# KiCad board hw-openmower-universal.kicad_pcb (continued)
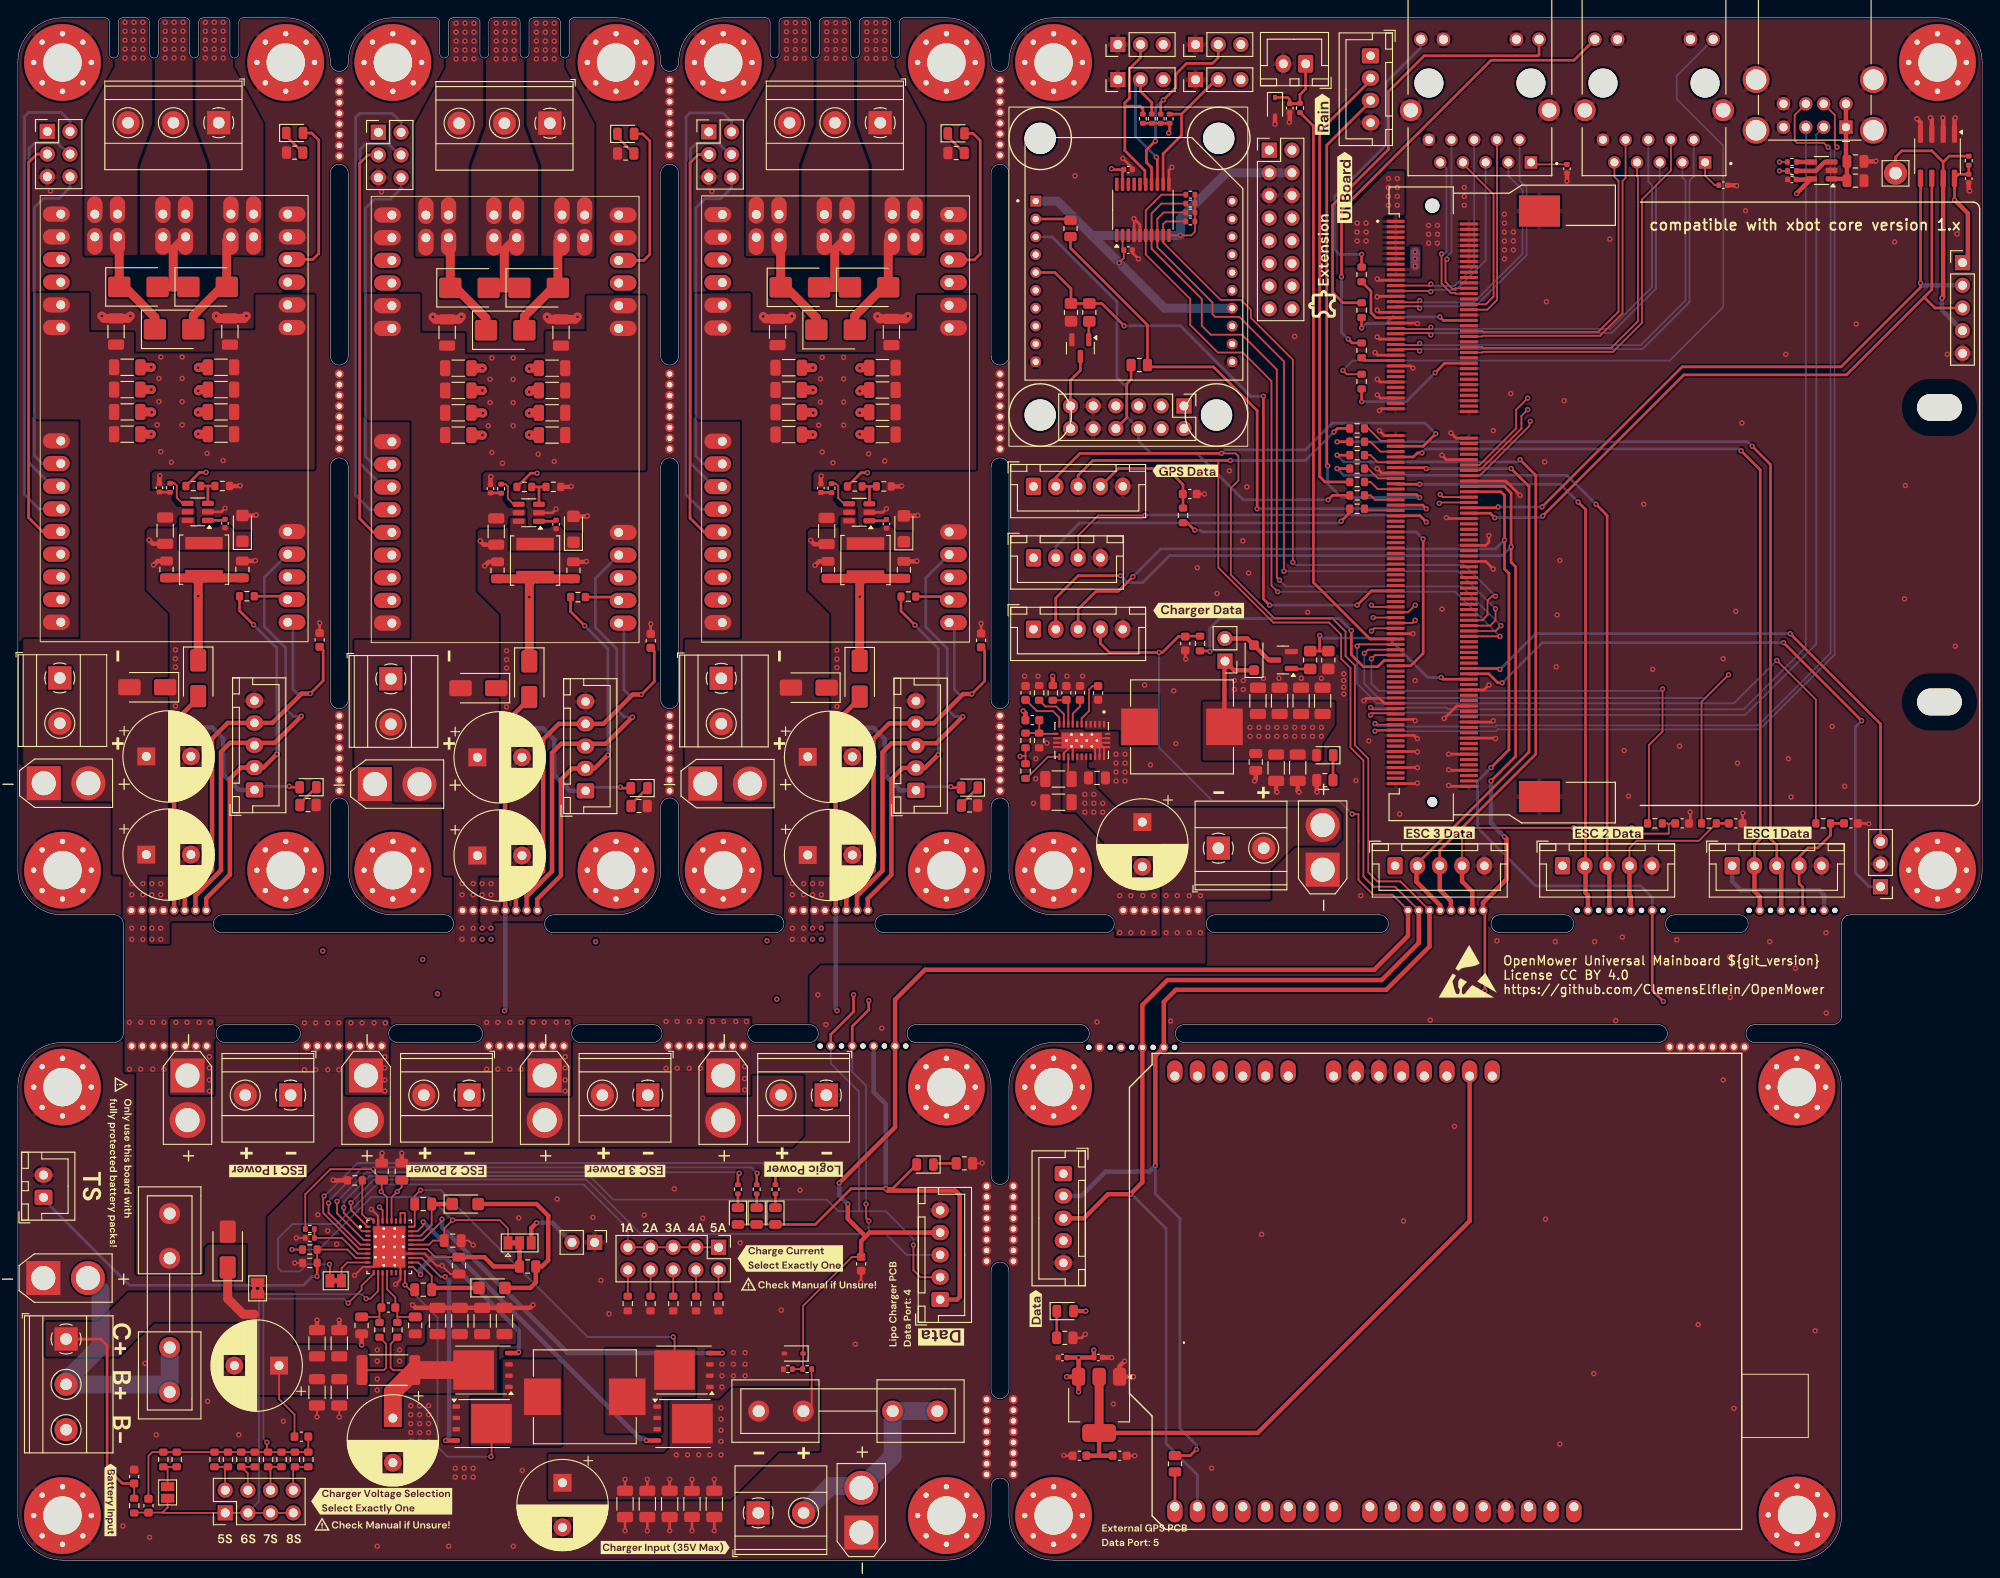
[diagram p0: board, top side]
## Routing (per net, layer and track width the routed paths; a pad name or vN(x,y) marks a point on that pad's centre or on a via; arc(x,y) is an arc through that point) (continued)
/subpcb_logic/UART10.RX: length 46.5
  Top w0.2: v1(126.25,117.05) 121,117.05 118.75,114.8 J1.3
  Top w0.3: v1(157.75,116.3) 157.05,117 J12.103
  Bottom w0.3: v1(126.25,117.05) 126.3,117.1 156.95,117.1 v1(157.75,116.3)
/subpcb_logic/UART10.TX: length 36.2
  Top w0.3: v1(148.2,116.4) 149.18,117.37 R85.1
  Bottom w0.3: v1(148.2,116.4) 148,116.2 118.9,116.2 116.25,113.55 J1.2
/subpcb_logic/~{WC}: length 31
  Top w0.3: 215.63,156.64 216.31,157.31 R15.2 ; 215.63,156.64 U5.7 ; 215.63,156.64 214.37,157.9 211,157.9 210.3,157.2 TP2.1
  Top w0.5: v1(215.5,141.4) 215.63,141.54 U5.7
  Bottom w0.5: J32.4 215.5,140.06 v1(215.5,141.4)
/UART1.RX: length 318.9
  Top w0.3: 194.5,77.3 194.5,80.15 195.15,80.8 195.15,122.15 v1(193,124.3) ; v1(157.25,124.05) 156.75,124.05 156.3,123.6 J12.81 ; v1(26.4,104.8) 24.83,106.38 R43.1
  Top w0.5: U50.8 21.1,74.15 23.75,76.8 23.75,87.55 25,88.8 J18.2 27.5,88.8 v1(29,90.3) ; 194.5,77.3 194.5,74.95 195.1,74.35 U49.1
  In2.Cu-PWR-SIG w0.3: U50.8 21.1,67.95 23.55,65.5 191.8,65.5 195.1,68.8 U49.1
  Bottom w0.3: v1(29,90.3) 29,102.2 v1(26.4,104.8) ; v1(193,124.3) 192.8,124.5 157.7,124.5 v1(157.25,124.05)
/UART1.TX: length 343.7
  Top w0.3: R1.1 v1(147.75,125.3) ; J11.3 197,80.11 196.3,80.81 196.3,122.75 v1(194.25,124.8)
  Top w0.5: J11.3 197.5,77.3 U49.2 ; U50.7 19.9,74.45 22.75,77.3 22.75,90.55 23.77,91.57 28.77,91.57 v1(31.75,94.55)
  In2.Cu-PWR-SIG w0.3: U50.7 19.9,67.15 22.05,65 196.2,65 197.5,66.3 U49.2
  Bottom w0.3: U8.14 27.6,110.1 27.6,104.6 30,102.2 30,95.4 30.86,94.55 31.75,94.55 v1(31.75,94.55) ; v1(147.75,125.3) 193.75,125.3 v1(194.25,124.8)
/UART2.RX: length 234.8
  Top w0.3: 175.58,77.3 175.58,117.72 v1(174.75,118.55) ; 154.37,120.55 v1(157,120.55) ; v1(63.48,104.7) 61.91,106.28 R70.1
  Top w0.5: 175.58,77.3 175.58,74.78 175.85,74.5 U48.1 ; 58.18,72.7 58.18,74.05 60.83,76.7 60.83,87.45 62.08,88.7 J25.2 64.58,88.7 v1(66.08,90.2)
  In2.Cu-PWR-SIG w0.3: U51.8 58.2,70.35 61.55,67 173.2,67 175.85,69.65 U48.1
  Bottom w0.3: v1(174.75,118.55) 172.75,120.55 v1(157,120.55) ; v1(63.48,104.7) 66.08,102.1 v1(66.08,90.2)
/UART2.TX: length 260.6
  Top w0.3: v1(176.75,118.3) 178,117.05 J20.3 177.5,77.3 ; R3.1 v1(147.75,122.3)
  Top w0.5: J20.3 178.25,77.55 U48.2 ; 56.98,72.7 56.98,74.35 59.83,77.2 59.83,90.45 60.85,91.47 65.85,91.47 v1(68.83,94.45)
  In2.Cu-PWR-SIG w0.3: U48.2 178.25,68.45 176.3,66.5 60.55,66.5 57,70.05 U51.7
  Bottom w0.3: v1(176.75,118.3) 173.5,121.55 148.5,121.55 v1(147.75,122.3) ; U9.14 64.68,110 64.68,104.5 67.08,102.1 67.08,95.3 67.94,94.45 68.83,94.45 v1(68.83,94.45)
/UART4.RX: length 181.8
  Top w0.3: 156.65,77.3 156.65,77.95 169.25,90.55 169.25,120.3 v1(167.25,122.3) ; v1(157.75,122.3) 157.65,122.4 J12.85 ; v1(100.49,104.76) 98.91,106.33 R77.1
  Top w0.5: 95.19,72.76 95.19,74.11 97.84,76.76 97.84,87.51 99.09,88.76 J26.2 101.59,88.76 v1(103.09,90.26) ; 156.65,77.3 156.65,76 159.3,73.35 U60.4
  In2.Cu-PWR-SIG w0.3: U60.4 159.3,70.05 157.8,68.55 97.25,68.55 95.2,70.6 U52.8
  Bottom w0.3: v1(103.09,90.26) 103.09,102.16 v1(100.49,104.76) ; v1(167.25,122.3) v1(157.75,122.3)
/UART4.TX: length 203.5
  Top w0.3: J21.3 159.25,79.55 170,90.3 170,121.55 v1(168.25,123.3) ; R5.1 v1(147.75,123.8)
  Top w0.5: v1(105.84,94.51) 102.85,91.53 97.85,91.53 96.84,90.51 96.84,77.26 93.99,74.41 93.99,72.76 ; J21.3 159.25,75.1 160.5,73.85 U60.5
  In2.Cu-PWR-SIG w0.3: U52.7 94,70.3 96.3,68 158.95,68 160.5,69.55 U60.5
  Bottom w0.3: v1(105.84,94.51) 105.83,94.5 104.94,94.5 104.09,95.36 104.09,102.16 101.69,104.56 101.69,110.05 U10.14 ; v1(168.25,123.3) 168,123.05 148.5,123.05 v1(147.75,123.8)
/UART6.RX: length 222.7
  Top w0.2: U60.3 154.85,76.05 152.25,76.05 151.25,77.05 151.25,89.8 149.75,91.3 149.75,100.25 148.7,101.3 148.7,104.05 147.2,105.55 140.7,105.55 135.85,110.4 135.85,120.1 136.7,120.95 136.7,123.7 136.4,124 v1(134.8,124)
  Top w0.3: J12.77 157.4,124.8 v1(158.8,126.2) ; J16.2 116.25,121.3 118.95,124 v1(134.8,124) ; R59.2 131.31,11.71 v1(132,12.4)
  Top w0.5: U60.3 158.1,68.75 153.25,63.9 129.69,63.9 128.35,62.55 U1.1 127.4,56.5 v1(127.4,44.2)
  Bottom w0.3: v1(127.4,44.2) 127.4,41.05 130.15,38.3 130.15,14.75 132,12.9 v1(132,12.4) ; v1(134.8,124) 135.2,124.4 144.2,124.4 147.2,127.4 157.6,127.4 v1(158.8,126.2)
  Bottom w0.5: v1(127.4,44.2) 126.74,43.54 121.84,43.54 119.1,40.8 J29.2
/UART6.TX: length 204.7
  Top w0.2: U60.2 154.25,75.45 151.85,75.45 150.7,76.6 150.7,89.6 149.25,91.05 149.25,99.95 148.2,101 148.2,103.7 146.85,105.05 140.6,105.05 134.45,111.2 134.45,123.2
  Top w0.3: J16.3 118.75,121.55 120.4,123.2 v1(135.8,123.2) ; v1(147.4,126.4) 147.8,126.8 R6.1
  Top w0.5: U60.2 156.9,69.15 152.75,65 128.75,65 125.95,62.2 U1.2 125.95,42.35 v1(124.6,41) 122.1,41 119.4,38.3 J29.3
  Bottom w0.3: v1(124.6,41) 124.75,41 128.6,37.15 128.6,13.05 132.12,9.53 XA1.D1 ; v1(147.4,126.4) 144.2,123.2 v1(135.8,123.2)
/V_BATTERY: length 6.3
  Top w0.2: U11.18 117.65,87.89 C23.1
  Top w0.3: R30.1 91.1,119.63 C105.1 ; R27.1 54.09,119.57 C100.1 ; R9.1 17.02,119.67 C3.1
  vias: v1(12.5,60.25) v1(12.5,55) v1(12.75,75.8) v1(12.75,74.55) v1(12.75,70.8) v1(12.75,69.55) v1(13.75,60.25) v1(13.75,55) v1(14,75.8) v1(14,74.55) v1(14,70.8) v1(14,69.55) v1(15.1,60.25) v1(15.1,55) v1(15.6,127.2) v1(15.8,132.4) v1(15.8,129.8) v1(16,134.8) v1(16,124.2) v1(16.35,60.25) v1(16.35,55) v1(17.2,123) v1(18.4,134.8) v1(18.4,132.4) v1(18.4,129.8) v1(18.4,127.2) v1(21.2,124) v1(23,123.2) v1(32.1,60.2) v1(32.1,54.95) v1(33.35,60.2) v1(33.35,54.95) v1(34.7,60.2) v1(34.7,54.95) v1(35.95,60.2) v1(35.95,54.95) v1(49.75,75.8) v1(49.75,74.55) v1(49.75,70.8) v1(49.75,69.55) v1(51,75.8) v1(51,74.55) v1(51,70.8) v1(51,69.55) v1(52.5,60.25) v1(52.5,55) v1(52.68,127.1) v1(52.88,132.3) v1(52.88,129.7) v1(53.08,134.7) v1(53.08,124.1) v1(53.75,60.25) v1(53.75,55) v1(54.28,122.9) v1(55.1,60.25) v1(55.1,55) v1(55.48,134.7) v1(55.48,132.3) v1(55.48,129.7) v1(55.48,127.1) v1(56.35,60.25) v1(56.35,55) v1(58.28,123.9) v1(60.08,123.1) v1(72.6,60.35) v1(72.6,55.1) v1(73.85,60.35) v1(73.85,55.1) v1(75.2,60.35) v1(75.2,55.1) v1(76.45,60.35) v1(76.45,55.1) v1(86.75,75.8) v1(86.75,74.55) v1(86.75,70.8) v1(86.75,69.55) v1(88,75.8) v1(88,74.55) v1(88,70.8) v1(88,69.55) v1(89.69,127.16) v1(89.88,132.36) v1(89.88,129.75) v1(90.09,134.75) v1(90.09,124.16) v1(91.28,122.96) v1(92.49,134.75) v1(92.49,132.36) v1(92.49,129.75) v1(92.49,127.16) v1(95.28,123.96) v1(97.09,123.16) v1(119.5,85.8) v1(119.5,84.8) v1(119.5,83.8) v1(120.5,85.8) v1(120.5,84.8) v1(120.5,83.8) v1(121.5,84.8) v1(121.5,83.8) v1(128.6,74.45) v1(128.6,70.3) v1(129.85,74.45) v1(129.85,70.3) v1(131.2,74.45) v1(131.2,70.3) v1(132.45,74.45) v1(132.45,70.3)
/xESC1/HALL_SENSOR.U: length 53.9
  Bottom w0.3: J37.2 42.92,161.11 41.93,162.1 38.28,162.1 37.83,161.65 37.83,119.3 39.44,117.69 U9.4
/xESC1/HALL_SENSOR.V: length 45.2
  Bottom w0.3: U9.5 40.95,120.23 38.33,122.85 38.33,158.05 38.98,158.7 41.48,158.7 42.75,157.44 J37.4
/xESC1/HALL_SENSOR.W: length 37.2
  Bottom w0.3: U9.6 39.81,122.77 38.93,123.65 38.93,151.45 39.95,152.48 41.7,152.48 42.92,153.69 J37.6
/xESC1/PHASE.U: length 12.4
  Top w1: U9.U 60.48,147.71 D12.2 59.93,142.55 56.73,139.35 D14.2
  vias: v1(58.08,172.2) v1(58.08,171.2) v1(58.08,170.2) v1(58.08,169.2) v1(58.08,168.2) v1(59.08,172.2) v1(59.08,171.2) v1(59.08,170.2) v1(59.08,169.2) v1(59.08,168.2) v1(60.08,172.2) v1(60.08,171.2) v1(60.08,170.2) v1(60.08,169.2) v1(60.08,168.2)
/xESC1/PHASE.V: length 9.6
  Top w1: D13.2 54.48,142.55 ; 54.48,142.55 54.48,146.79 U9.V ; 54.48,142.55 D12.1
  vias: v1(53.58,172.2) v1(53.58,171.2) v1(53.58,170.2) v1(53.58,169.2) v1(53.58,168.2) v1(54.58,172.2) v1(54.58,171.2) v1(54.58,170.2) v1(54.58,169.2) v1(54.58,168.2) v1(55.58,172.2) v1(55.58,171.2) v1(55.58,170.2) v1(55.58,169.2) v1(55.58,168.2)
/xESC1/PHASE.W: length 12.5
  Top w1: D14.1 52.43,139.15 49.03,142.55 D13.1 48.43,147.98 U9.W
  vias: v1(49.08,172.2) v1(49.08,171.2) v1(49.08,170.2) v1(49.08,169.2) v1(49.08,168.2) v1(50.08,172.2) v1(50.08,171.2) v1(50.08,170.2) v1(50.08,169.2) v1(50.08,168.2) v1(51.08,172.2) v1(51.08,171.2) v1(51.08,170.2) v1(51.08,169.2) v1(51.08,168.2)
/xESC1/Temperature: length 46.5
  Top w0.3: U9.3 39.83,115.15 38.28,116.7 38.28,156.5 39.22,157.44 J37.3
/xESC2/HALL_SENSOR.U: length 53.9
  Bottom w0.3: 79.92,160.03 79.92,161.17 78.94,162.16 75.28,162.16 74.83,161.71 74.83,119.36 76.45,117.74 U10.4
/xESC2/HALL_SENSOR.V: length 45.2
  Bottom w0.3: U10.5 77.96,120.28 75.33,122.91 75.33,158.11 75.98,158.75 78.48,158.75 79.75,157.49 79.92,157.49
/xESC2/HALL_SENSOR.W: length 37.2
  Bottom w0.3: 79.92,154.95 79.92,153.75 78.71,152.53 76.96,152.53 75.94,151.5 75.94,123.71 76.82,122.82 U10.6
/xESC2/PHASE.U: length 12.4
  Top w1: D20.2 93.74,139.41 96.94,142.61 D18.2 97.49,147.76 U10.U
  vias: v1(95.09,172.25) v1(95.09,171.25) v1(95.09,170.25) v1(95.09,169.25) v1(95.09,168.25) v1(96.09,172.25) v1(96.09,171.25) v1(96.09,170.25) v1(96.09,169.25) v1(96.09,168.25) v1(97.09,172.25) v1(97.09,171.25) v1(97.09,170.25) v1(97.09,169.25) v1(97.09,168.25)
/xESC2/PHASE.V: length 9.6
  Top w1: 91.49,142.61 91.49,146.84 U10.V ; 91.49,142.61 D18.1 ; 91.49,142.61 D19.2
  vias: v1(90.59,172.25) v1(90.59,171.25) v1(90.59,170.25) v1(90.59,169.25) v1(90.59,168.25) v1(91.59,172.25) v1(91.59,171.25) v1(91.59,170.25) v1(91.59,169.25) v1(91.59,168.25) v1(92.59,172.25) v1(92.59,171.25) v1(92.59,170.25) v1(92.59,169.25) v1(92.59,168.25)
/xESC2/PHASE.W: length 12.5
  Top w1: D20.1 89.44,139.21 86.03,142.61 D19.1 85.44,148.03 U10.W
  vias: v1(86.09,172.25) v1(86.09,171.25) v1(86.09,170.25) v1(86.09,169.25) v1(86.09,168.25) v1(87.09,172.25) v1(87.09,171.25) v1(87.09,170.25) v1(87.09,169.25) v1(87.09,168.25) v1(88.09,172.25) v1(88.09,171.25) v1(88.09,170.25) v1(88.09,169.25) v1(88.09,168.25)
/xESC2/Temperature: length 46.5
  Top w0.3: U10.3 76.84,115.2 75.28,116.76 75.28,156.56 76.22,157.49 J38.3
/xESC/HALL_SENSOR.U: length 53.9
  Bottom w0.3: J36.2 5.84,161.21 4.85,162.2 1.2,162.2 0.75,161.75 0.75,119.4 2.37,117.79 U8.4
/xESC/HALL_SENSOR.V: length 45.2
  Bottom w0.3: U8.5 3.88,120.33 1.25,122.95 1.25,158.15 1.9,158.8 4.4,158.8 5.66,157.54 J36.4
/xESC/HALL_SENSOR.W: length 37.2
  Bottom w0.3: U8.6 2.73,122.87 1.85,123.75 1.85,151.55 2.88,152.58 4.62,152.58 5.84,153.79 J36.6
/xESC/PHASE.U: length 12.4
  Top w1: D10.2 19.65,139.45 22.85,142.65 D8.2 23.4,147.81 U8.U
  vias: v1(21,172.3) v1(21,171.3) v1(21,170.3) v1(21,169.3) v1(21,168.3) v1(22,172.3) v1(22,171.3) v1(22,170.3) v1(22,169.3) v1(22,168.3) v1(23,172.3) v1(23,171.3) v1(23,170.3) v1(23,169.3) v1(23,168.3)
/xESC/PHASE.V: length 9.6
  Top w1: 17.4,142.65 17.4,146.89 U8.V ; 17.4,142.65 D8.1 ; 17.4,142.65 D9.2
  vias: v1(16.5,172.3) v1(16.5,171.3) v1(16.5,170.3) v1(16.5,169.3) v1(16.5,168.3) v1(17.5,172.3) v1(17.5,171.3) v1(17.5,170.3) v1(17.5,169.3) v1(17.5,168.3) v1(18.5,172.3) v1(18.5,171.3) v1(18.5,170.3) v1(18.5,169.3) v1(18.5,168.3)
/xESC/PHASE.W: length 12.5
  Top w1: D10.1 15.35,139.25 11.95,142.65 D9.1 11.35,148.08 U8.W
  vias: v1(12,172.3) v1(12,171.3) v1(12,170.3) v1(12,169.3) v1(12,168.3) v1(13,172.3) v1(13,171.3) v1(13,170.3) v1(13,169.3) v1(13,168.3) v1(14,172.3) v1(14,171.3) v1(14,170.3) v1(14,169.3) v1(14,168.3)
/xESC/Temperature: length 46.5
  Top w0.3: J36.3 2.13,157.54 1.2,156.6 1.2,116.8 2.76,115.25 U8.3
Net-(D1-K): length 8.1
  Top w0.3: D1.1 142.22,163.88 142.45,163.65 C18.1 143.56,163.18 R16.2 143.59,164.2 144.23,164.83 J24.1
Net-(D2-A): length 20.6
  Top w0.5: D2.2 57.4,30.5 58.01,31.11 R66.2 58.71,32.9 59.4,33.59 59.4,38.6 58.1,39.9 D26.2
Net-(D2-K): length 9.9
  Top w0.2: U27.20 44.85,33.35 46.35,31.85 C16.2
  Top w0.5: D2.1 46.55,30.5 C16.2
Net-(D5-K): length 1.6
  Top w0.3: R34.1 D5.1
Net-(D6-K): length 1.6
  Top w0.3: R35.1 D6.1
Net-(D15-K): length 2.8
  Top w0.3: D15.1 147.3,90.16 R62.1
Net-(D21-A): length 6.6
  Top w0.5: Q2.3 140.1,100.85 D21.2 137.69,103.27 M1.2
Net-(D25-K): length 3
  Top w0.3: R44.1 116.36,24.92 D25.1
Net-(D26-K): length 7.5
  Top w0.2: C13.2 46.35,37.58 45.12,36.35 U27.26
  Top w0.5: D26.1 C13.2
Net-(D29-K): length 1.6
  Top w0.3: R76.1 D29.1
Net-(D31-K): length 3
  Top w0.3: R45.1 30.06,159.55 D31.1
Net-(D32-K): length 3
  Top w0.3: D32.1 67.14,159.45 R46.1
Net-(D33-K): length 3
  Top w0.3: R60.1 104.15,159.5 D33.1
Net-(D36-K): length 2.8
  Top w0.3: R64.1 31.59,84.75 D36.1
Net-(D37-K): length 2.8
  Top w0.3: R65.1 68.67,84.65 D37.1
Net-(D38-K): length 2.8
  Top w0.3: D38.1 105.67,84.71 R78.1
Net-(D39-K): length 2.6
  Top w0.3: R79.1 102.68,44.46 D39.1
Net-(J2-Pin_2): length 4.2
  Top w0.2: R87.1 R88.1 23.21,10.13 23.21,7.87
Net-(J2-Pin_4): length 4.4
  Top w0.2: R71.1 R23.1 25.75,9.73 25.75,7.87
Net-(J2-Pin_6): length 4.2
  Top w0.2: 28.29,7.87 28.29,10.19 R80.1 R86.1
Net-(J2-Pin_8): length 4.2
  Top w0.2: 30.83,7.87 30.83,10.25 R94.1 R93.1
Net-(J3-Pin_2): length 31
  Bottom w2: F1.1 F1.1 16.15,19.68 5.4,19.68 5.4,20.08 9.25,23.93 9.25,30.2 J9.2
Net-(J4-Pin_1): length 67.4
  Top w0.2: J4.1 J4.9 ; JP4.1 34.95,33.1 v1(34.9,33.15)
  Bottom w0.2: J4.9 68.32,37.13 63.35,42.1 40.2,42.1 35.75,37.65 30.75,37.65 29.15,36.05 29.15,32.7 29.5,32.35 31.6,32.35 32.4,33.15 v1(34.9,33.15)
Net-(J4-Pin_2): length 2.9
  Top w0.2: J4.2 78.46,32.49 R89.1
Net-(J4-Pin_4): length 2.9
  Top w0.2: R81.1 75.96,32.49 J4.4
Net-(J4-Pin_6): length 2.9
  Top w0.2: R36.1 73.41,32.5 J4.6
Net-(J4-Pin_8): length 2.9
  Top w0.2: R4.1 J4.8
Net-(J4-Pin_10): length 2.9
  Top w0.2: R2.2 68.31,32.5 J4.10
Net-(J6-VBUS1): length 10.5
  Top w0.5: J6.5 204.75,156.83 C5.1 C9.1 204.67,154.75 U3.1
Net-(J7-P1): length 3.5
  Top w0.2: J7.1 188.97,155.13 190.05,154.05 C14.2
Net-(J7-Pad11): length 81.7
  Top w0.2: R11.2 148.82,132.88 v1(148.4,133.3)
  Bottom w0.2: J7.11 185.8,166.32 185.8,163.7 191,158.5 191,140.4 185,134.4 149.5,134.4 v1(148.4,133.3)
Net-(J7-Pad14): length 52.8
  Top w0.3: v1(148.25,143.8) 148.25,151.3 165,168.05 174.28,168.05 J7.14 ; R12.2 149.43,136.38 v1(149,136.8)
  Bottom w0.3: v1(149,136.8) 148.25,137.55 v1(148.25,143.8)
Net-(J8-P1): length 4.1
  Top w0.2: J8.1 169.69,156.38 C15.2
Net-(J8-Pad11): length 49.1
  Top w0.3: R13.2 148.43,140.88 147.25,142.05 147.25,151.8 153.5,158.05 153.5,164.55 157.5,168.55 170.25,168.55 170.38,168.68 J8.11
Net-(J8-Pad14): length 32.2
  Top w0.3: R14.2 v1(150.5,146.3)
  Bottom w0.3: v1(150.5,146.3) 148,146.3 147.5,146.8 147.5,152.8 153.25,158.55 153.25,165.58 157.12,169.46 J8.14
Net-(J10-Pin_2): length 22.8
  Bottom w2: F2.1 F2.1 97.97,11.62 J17.2 94.27,8.3 91,8.3 J10.2
Net-(J12B-UART1.TX): length 3.9
  Top w0.2: 154.32,124.2 152.6,124.2 151.5,125.3 R1.2
Net-(J12B-UART2.TX): length 3.9
  Top w0.2: 154.32,121.2 152.32,121.2 151.22,122.3 R3.2
Net-(J12B-UART4.TX): length 3.8
  Top w0.2: J12.83 152.3,123 151.5,123.8 R5.2
Net-(J12B-UART6.TX): length 4.1
  Top w0.2: J12.75 152.65,125.4 151.25,126.8 R6.2
Net-(J12B-UART7.TX): length 3.8
  Top w0.2: J12.93 152.3,120 151.5,120.8 R83.2
Net-(J12B-UART8.TX): length 3.7
  Top w0.2: J12.97 152,118.8 151.5,119.3 R84.2
Net-(J12B-UART10.TX): length 3.6
  Top w0.2: R85.2 151.02,117.6 J12.101
Net-(J12D-AGPIO1): length 78.6
  Top w0.2: v1(197,100.8) 201.38,96.43 R18.2 ; J12.151 150.2,102.6 v1(150,102.4)
  Bottom w0.2: v1(197,100.8) 192.2,96 152.2,96 150,98.2 v1(150,102.4)
Net-(J12D-AGPIO2): length 67.5
  Top w0.2: v1(150.8,101.6) 151.2,102 J12.153 ; v1(191.6,99.2) 188.57,96.18 R39.2
  Bottom w0.2: v1(191.6,99.2) 189,96.6 152.4,96.6 150.8,98.2 v1(150.8,101.6)
Net-(J12D-AGPIO3): length 54.6
  Top w0.2: J12.155 152,101.4 v1(151.6,101) ; R40.2 182.68,82.7 182.68,91.33 184.2,92.85 v1(184.2,97.6) 184.32,97.48
  Bottom w0.2: v1(184.2,97.6) 184,97.4 152.4,97.4 151.6,98.2 v1(151.6,101)
Net-(J12D-AGPIO4): length 29.1
  Top w0.3: v1(133.5,101.8) 133.43,101.88 R42.2 ; J12.157 153.02,100.8 152.32,100.1 150.7,100.1 149.35,101.45 v1(149.35,104.15)
  Bottom w0.3: v1(133.5,101.8) 133.5,104.4 134.6,105.5 148,105.5 v1(149.35,104.15)
Net-(J12D-AGPIO5): length 44.1
  Top w0.3: R63.2 130.97,116.23 v1(131.8,115.4) ; v1(157.4,114.4) 157.4,101.6 156,100.2 154.32,100.2
  Bottom w0.3: v1(131.8,115.4) 132.4,115.4 132.6,115.2 156.6,115.2 v1(157.4,114.4)
Net-(JP1-B): length 7.4
  Top w0.5: JP1.3 57.5,37.2 v1(58.1,37.8)
  Bottom w0.5: TP1.2 59.86,37.8 v1(58.1,37.8)
Net-(JP3-A): length 3.7
  Top w0.2: 16.82,10.45 R95.1 ; 16.82,10.45 R96.1 ; 16.82,10.45 16.77,10.4 JP3.1
Net-(Q1-D): length 8.5
  Top w0.3: U13.12 117.9,132.2 119,133.3 Q1.3
Net-(Q1-G): length 2.1
  Top w0.3: Q1.1 119.95,138.75 R25.2
Net-(Q2-G): length 2.1
  Top w0.3: Q2.1 142.68,99.85 R53.2
Net-(Q6-G): length 38.4
  Top w0.2: v1(45.4,37.9) 45.4,37.5 44.75,36.85 U27.27
  Top w0.5: Q6.4 70.41,13.4 v1(70.4,13.4)
  Bottom w0.5: v1(70.4,13.4) 70.2,13.6 69.7,13.6 v1(45.4,37.9)
Net-(Q7-D): length 43.6
  Top w0.2: U27.28 44.35,37.35 44.45,37.45 C13.1 44.45,40.8 v1(45.1,41.45) ; v1(73.4,25) 73.55,24.85 Q7.5
  Bottom w0.2: v1(73.4,25) 63.82,25 47.37,41.45 v1(45.1,41.45)
Net-(Q7-G): length 44.1
  Top w0.2: v1(47.5,38.2) 47.5,38 45.35,35.85 U27.25
  Top w0.5: Q7.4 77.5,23.2 v1(78.9,23.2)
  Bottom w0.5: v1(78.9,23.2) 61.6,23.2 47.5,37.3 v1(47.5,38.2)
Net-(Q8-D): length 19.5
  Top w0.2: R68.1 41.75,24.23 41.75,21.55 42,21.3 R67.2
  Top w2: C50.1 42,18.84 R67.2 Q8.5
Net-(Q8-G): length 20.5
  Top w0.2: v1(45.1,32) 44.25,32.85 U27.19
  Top w0.5: v1(56.1,23.3) 56,23.21 Q8.4
  Bottom w0.5: v1(56.1,23.3) 56.1,25.7 47.9,33.9 46.4,33.9 45.1,32.6 v1(45.1,32)
Net-(Q9-D): length 32.5
  Top w0.2: Q9.5 53.05,11.65 v1(53,11.6) ; C16.1 43.9,30.3 v1(43.35,30.85) U27.18
  Bottom w0.2: v1(53,11.6) 48.1,11.6 47,12.7 47,27.2 v1(43.35,30.85)
Net-(Q9-G): length 24.6
  Top w0.2: v1(47.85,31.75) 47.35,31.75 45.25,33.85 U27.21
  Top w0.5: v1(47.9,13.4) 49.09,13.4 Q9.4
  Bottom w0.5: v1(47.85,31.75) 48.3,31.3 48.3,13.8 v1(47.9,13.4)
Net-(U3-EN): length 1.6
  Top w0.5: 199.26,156.65 U3.4
Net-(U3-~{FLT}): length 4.3
  Top w0.5: R8.2 201.38,155.65 202.38,156.65 U3.3
Net-(U6-TX1): length 4
  Top w0.3: U6.2 117.75,150.26 R26.1
Net-(U8-MOSI/TX): length 3.9
  Top w0.3: U8.12 29.83,108 R43.2
Net-(U9-MOSI/TX): length 3.9
  Top w0.3: U9.12 66.92,107.9 R70.2
Net-(U10-MOSI/TX): length 3.9
  Top w0.3: U10.12 103.92,107.96 R77.2
Net-(U11-BOOT): length 5.4
  Top w0.2: U11.6 119.15,94.31 119.97,95.14 119.97,97.55 120.37,97.94 C27.1
Net-(U11-FB): length 4.9
  Top w0.2: R61.1 114.4,92.67 C28.2 ; R61.1 R57.2 ; R61.1 114.46,92.59 U11.12
Net-(U11-PGOOD): length 4.8
  Top w0.2: U11.16 115.38,90.01 112.95,87.58 R56.1
Net-(U11-RT): length 4.5
  Top w0.2: U11.10 117.15,94.79 116.29,95.64 115.09,95.64 R51.1
Net-(U11-SS/TRK): length 5.4
  Top w0.2: C25.1 114.12,95.14 115.91,95.14 116.65,94.4 U11.11
Net-(U11-VCC): length 3.1
  Top w0.2: C26.2 118.96,95.65 118.15,94.84 U11.8
Net-(U13-TXD): length 7.8
  Top w0.3: U13.10 124.2,128 124.2,131.8 124.69,132.29 R58.1
Net-(U27-ACN): length 2.3
  Top w0.2: U27.30 42.85,38.9 43.3,38.9 43.35,38.85 U27.29
Net-(U27-FSW_SYNC): length 5.4
  Top w0.2: U27.36 39.55,38.3 39,38.3 38.58,38.73 R74.2
Net-(U27-~{CE}): length 7.7
  Top w0.2: U27.7 38.05,34.35 36.3,36.1 R75.1 R21.2
Net-(U28-CB): length 2
  Top w0.3: C10.2 23.07,116.5 U28.1
Net-(U28-FB): length 3.5
  Top w0.3: U28.3 21.28,120.29 21.3,120.3 ; R10.2 R17.1
Net-(U28-~{SHDN}): length 3.7
  Top w0.2: R9.2 17.54,120.66 17.8,120.4 17.8,119.05 18.45,118.4 U28.4
Net-(U29-CB): length 2
  Top w0.3: C101.2 60.15,116.4 58.36,116.4
Net-(U29-FB): length 3.5
  Top w0.3: 58.36,118.3 58.36,120.19 58.38,120.2 ; R28.2 R29.1
Net-(U29-~{SHDN}): length 3.7
  Top w0.2: R27.2 54.62,120.56 54.88,120.3 54.88,118.95 55.53,118.3 U29.4
Net-(U47-CB): length 2
  Top w0.3: C106.2 97.15,116.45 U47.1
Net-(U47-FB): length 3.5
  Top w0.3: R31.2 R32.1 ; 95.38,120.26 95.37,120.24 U47.3
Net-(U47-~{SHDN}): length 3.7
  Top w0.2: R30.2 91.62,120.61 91.88,120.35 91.88,119 92.53,118.35 U47.4
Net-(XA1-TXD): length 3.9
  Top w0.3: R59.1 129.6,6.01 XA1.D0

## Copper pours and planes (outline as drawn; the poured copper is in the pictures)
/5V on Top: 155.3,145.05 155.3,155.65 153.4,155.65 148.55,150.8 148.55,145.05
/5V on Top: 132.7,96.2 132.7,89.6 146.1,89.6 146.1,91.5 147.5,93.6 147.5,96.2
/5V on In2.Cu-PWR-SIG: 110.8,59.1 211.4,59.3 209.35,-3.9 110.05,-5
/5V on In2.Cu-PWR-SIG: 130.55,174.8 130.55,72.8 260.05,72.8 260.95,174.8
/5V on In2.Cu-PWR-SIG: 111,174.8 111,72.8 240.5,72.8 241.4,174.8
/subpcb_logic/3.3V on Top: 153.2,144.9 153.2,143.8 157.1,143.8 157.1,147.2 155.9,147.2 155.9,144.9
GND on Top, Bottom, In1.Cu-GND, In2.Cu-PWR-SIG: 41.55,52.1 36.65,52.1 36.65,60.6 41.55,60.6
GND on Top, Bottom, In1.Cu-GND, In2.Cu-PWR-SIG: 82.05,52.1 77.15,52.1 77.15,60.75 82.05,60.75
GND on Top, Bottom, In1.Cu-GND, In2.Cu-PWR-SIG: 123,74.9 127.9,74.9 127.9,69.9 123,69.9
GND on Top, Bottom, In1.Cu-GND, In2.Cu-PWR-SIG: 14.5,76.55 17,76.55 17,69.05 14.5,69.05
GND on Top, Bottom, In1.Cu-GND, In2.Cu-PWR-SIG: 61.95,52 57.05,52 57.05,60.65 61.95,60.65
GND on Top, Bottom, In1.Cu-GND, In2.Cu-PWR-SIG: -21.47,207.29 -15.27,-64.11 240.73,-63.31 234.33,200.09
GND on Top, Bottom, In1.Cu-GND, In2.Cu-PWR-SIG: 21.95,52.1 17.05,52.1 17.05,60.65 21.95,60.65
/subpcb_charger/Charger/V_BATT_CHARGE on Top: 39.2,18.5 39.2,23.6 38.6,24.1 30.9,24.1 30.9,30 12.35,30 9,26.7 3.1,26.7 3.1,22.8 11.3,22.8 15.2,26.7 24.7,26.7 26.8,24.2 26.8,18.5
/subpcb_charger/V_CHARGE on Top, In2.Cu-PWR-SIG: 73,12.5 72.4,11.9 59.4,11.9 59.4,6.8 79.8,6.8 85.2,12.2 89.8,12.2 89.8,19.3 80,19.3 78.6,17.9 73,17.9
/subpcb_charger/V_CHARGE on In2.Cu-PWR-SIG: 40,39.05 44.25,39.05 44.25,45.05 40,45.05
/V_BATTERY on Top: 12,71.4 12,58.05 88.45,58.05 88.48,65.55 89.85,66.85 133,66.85 133,71.35 90.55,71.33 88.5,71.35
/V_BATTERY on Top, Bottom, In1.Cu-GND, In2.Cu-PWR-SIG: 16.85,54.65 11.95,54.65 11.95,60.65 16.85,60.65
/V_BATTERY on Top, Bottom, In1.Cu-GND, In2.Cu-PWR-SIG: 128.1,74.9 133,74.9 133,69.9 128.1,69.9
/V_BATTERY on Top, Bottom, In1.Cu-GND, In2.Cu-PWR-SIG: 56.85,54.65 51.95,54.65 51.95,60.65 56.85,60.65
/V_BATTERY on Top, Bottom, In1.Cu-GND, In2.Cu-PWR-SIG: 12,76.55 14.5,76.55 14.5,69.05 12,69.05
/V_BATTERY on Top, Bottom, In1.Cu-GND, In2.Cu-PWR-SIG: 36.45,54.6 31.55,54.6 31.55,60.6 36.45,60.6
/V_BATTERY on Top, Bottom, In1.Cu-GND, In2.Cu-PWR-SIG: 86,76.55 88.5,76.55 88.5,69.05 86,69.05
/V_BATTERY on Top, Bottom, In1.Cu-GND, In2.Cu-PWR-SIG: 76.95,54.75 72.05,54.75 72.05,60.75 76.95,60.75
/V_BATTERY on Top, Bottom, In1.Cu-GND, In2.Cu-PWR-SIG: 49,76.55 51.5,76.55 51.5,69.05 49,69.05
/V_BATTERY on Top, In2.Cu-PWR-SIG: 85.84,76.76 85.84,71.76 88.59,71.76 88.59,76.76 90.88,76.76 90.88,105.96 88.28,108.56 88.28,115.36 88.69,115.76 91.49,115.76 91.88,116.16 91.88,116.76 92.09,116.96 93.69,116.96 93.88,117.16 93.88,117.76 93.69,117.96 91.88,117.96 91.28,118.76 91.28,119.56 91.09,119.76 88.88,119.76 88.88,121.76 89.28,122.16 107.34,122.16 107.34,141.75 100.69,141.75 100.69,137.75 96.09,137.75 96.09,135.16 87.09,135.16 87.09,137.56 82.08,137.56 82.08,141.96 75.78,141.91 75.78,128.5 76.23,127.76 81.08,127.76 81.08,103.16 74.69,103.16 74.69,84.96 84.69,84.96 84.69,76.76
/V_BATTERY on Top, In2.Cu-PWR-SIG: 11.75,76.8 11.75,71.8 14.5,71.8 14.5,76.8 16.8,76.8 16.8,106 14.2,108.6 14.2,115.4 14.6,115.8 17.4,115.8 17.8,116.2 17.8,116.8 18,117 19.6,117 19.8,117.2 19.8,117.8 19.6,118 17.8,118 17.2,118.8 17.2,119.6 17,119.8 14.8,119.8 14.8,121.8 15.2,122.2 33.25,122.2 33.25,141.8 26.6,141.8 26.6,137.8 22,137.8 22,135.2 13,135.2 13,137.6 8,137.6 8,142 1.7,141.95 1.7,128.55 2.15,127.8 7,127.8 7,103.2 0.6,103.2 0.6,85 10.6,85 10.6,76.8
/V_BATTERY on Top, In2.Cu-PWR-SIG: 13.25,32.05 20.75,32.05 20.75,35.05 21.25,35.55 25.75,35.55 25.75,31.05 27.75,31.05 27.75,38.55 35.5,46.3 86.75,46.3 88,47.55 88,54.3 76.95,54.3 76.95,61.05 13.25,61.05
/V_BATTERY on Top, In2.Cu-PWR-SIG: 48.83,76.7 48.83,71.7 51.58,71.7 51.58,76.7 53.88,76.7 53.88,105.9 51.28,108.5 51.28,115.3 51.68,115.7 54.48,115.7 54.88,116.1 54.88,116.7 55.08,116.9 56.68,116.9 56.88,117.1 56.88,117.7 56.68,117.9 54.88,117.9 54.28,118.7 54.28,119.5 54.08,119.7 51.88,119.7 51.88,121.7 52.28,122.1 70.33,122.1 70.33,141.7 63.68,141.7 63.68,137.7 59.08,137.7 59.08,135.1 50.08,135.1 50.08,137.5 45.08,137.5 45.08,141.9 38.78,141.85 38.78,128.45 39.23,127.7 44.08,127.7 44.08,103.1 37.68,103.1 37.68,84.9 47.68,84.9 47.68,76.7
/V_BATTERY on Top, In2.Cu-PWR-SIG: 118.5,90.3 119.75,90.3 119.75,88.8 120,88.55 120.5,88.55 120.75,88.3 120.75,86.55 123,84.3 147.5,84.3 148.25,83.55 148.25,80.8 147.5,80.05 143,80.05 140.3,77.4 140.3,74 128.1,74 128.1,80.3 121.75,80.3 119,83.3 118.5,83.8 117,83.8 117,89.3 118.5,89.3
/xESC1/PHASE.U on Top, Bottom, In1.Cu-GND, In2.Cu-PWR-SIG: 61.18,173.15 61.18,167.23 64.58,160.9 64.58,146.05 58.63,146.15 58.63,156.3 56.98,160.8 56.98,173.2
/xESC1/PHASE.V on Top, Bottom, In1.Cu-GND, In2.Cu-PWR-SIG: 52.44,172.96 52.43,160.7 50.78,156.1 50.78,146.15 58.28,146.15 58.28,156.25 56.68,160.7 56.64,173.01
/xESC1/PHASE.W on Top, Bottom, In1.Cu-GND, In2.Cu-PWR-SIG: 47.92,173.13 47.92,167.21 44.52,160.88 44.52,146.03 50.47,146.13 50.47,156.28 52.12,160.78 52.12,173.18
/xESC2/PHASE.U on Top, Bottom, In1.Cu-GND, In2.Cu-PWR-SIG: 98.19,173.21 98.19,167.28 101.59,160.96 101.59,146.11 95.63,146.21 95.63,156.36 93.99,160.86 93.99,173.25
/xESC2/PHASE.V on Top, Bottom, In1.Cu-GND, In2.Cu-PWR-SIG: 89.44,173.01 89.44,160.75 87.78,156.16 87.78,146.21 95.28,146.21 95.28,156.31 93.69,160.75 93.64,173.06
/xESC2/PHASE.W on Top, Bottom, In1.Cu-GND, In2.Cu-PWR-SIG: 84.93,173.19 84.93,167.26 81.53,160.94 81.53,146.09 87.48,146.19 87.48,156.34 89.13,160.84 89.13,173.24
/xESC/PHASE.U on Top, Bottom, In1.Cu-GND, In2.Cu-PWR-SIG: 24.1,173.25 24.1,167.33 27.5,161 27.5,146.15 21.55,146.25 21.55,156.4 19.9,160.9 19.9,173.3
/xESC/PHASE.V on Top, Bottom, In1.Cu-GND, In2.Cu-PWR-SIG: 15.36,173.06 15.35,160.8 13.7,156.2 13.7,146.25 21.2,146.25 21.2,156.35 19.6,160.8 19.56,173.11
/xESC/PHASE.W on Top, Bottom, In1.Cu-GND, In2.Cu-PWR-SIG: 10.84,173.23 10.84,167.31 7.44,160.98 7.44,146.13 13.39,146.23 13.39,156.38 15.04,160.88 15.04,173.28
Net-(C27-Pad2) on Top: 127.75,91.3 123.5,91.3 123.5,93.05 119.5,93.05 119.5,94.3 120.25,95.05 120.25,97.05 127.75,97.05
Net-(D22-K) on Top: 18.05,116.9 18.05,113.2 26.1,113.2 26.1,115.25 24.3,115.25 23.6,115.95 22.7,115.95 22.45,115.7 20.15,115.7 19.85,116 19.85,116.9
Net-(D27-K) on Top: 55.13,116.8 55.13,113.1 63.18,113.1 63.18,115.15 61.38,115.15 60.68,115.85 59.78,115.85 59.53,115.6 57.23,115.6 56.93,115.9 56.93,116.8
Net-(D30-K) on Top: 92.13,116.86 92.13,113.16 100.19,113.16 100.19,115.21 98.38,115.21 97.69,115.91 96.78,115.91 96.53,115.66 94.24,115.66 93.94,115.96 93.94,116.86
Net-(Q7-D) on Top: 72.1,14.2 72.1,18.3 75.9,18.3 75.9,23.7 65.8,23.7 65.8,14.2
Net-(Q8-D) on Top: 53.7,18.7 53.7,23.9 54,24.2 55.8,24.2 55.8,26.6 46.1,26.6 45.8,26.3 45.8,24.4 45.3,23.9 43.6,23.9 43.6,18.7
Net-(Q9-D) on Top: 54.3,22.5 60.9,22.5 60.9,12.8 50.7,12.8 50.7,18.2 54.3,18.2

## Text on the board
F.Silkscreen: OpenMower Universal Mainboard ${git_version} / License CC BY 4.0 / https://github.com/ClemensElflein/OpenMower | compatible with xbot core version 1.x
